# Altium PCB MB1191.PcbDoc (part 5 of 7) (continued)
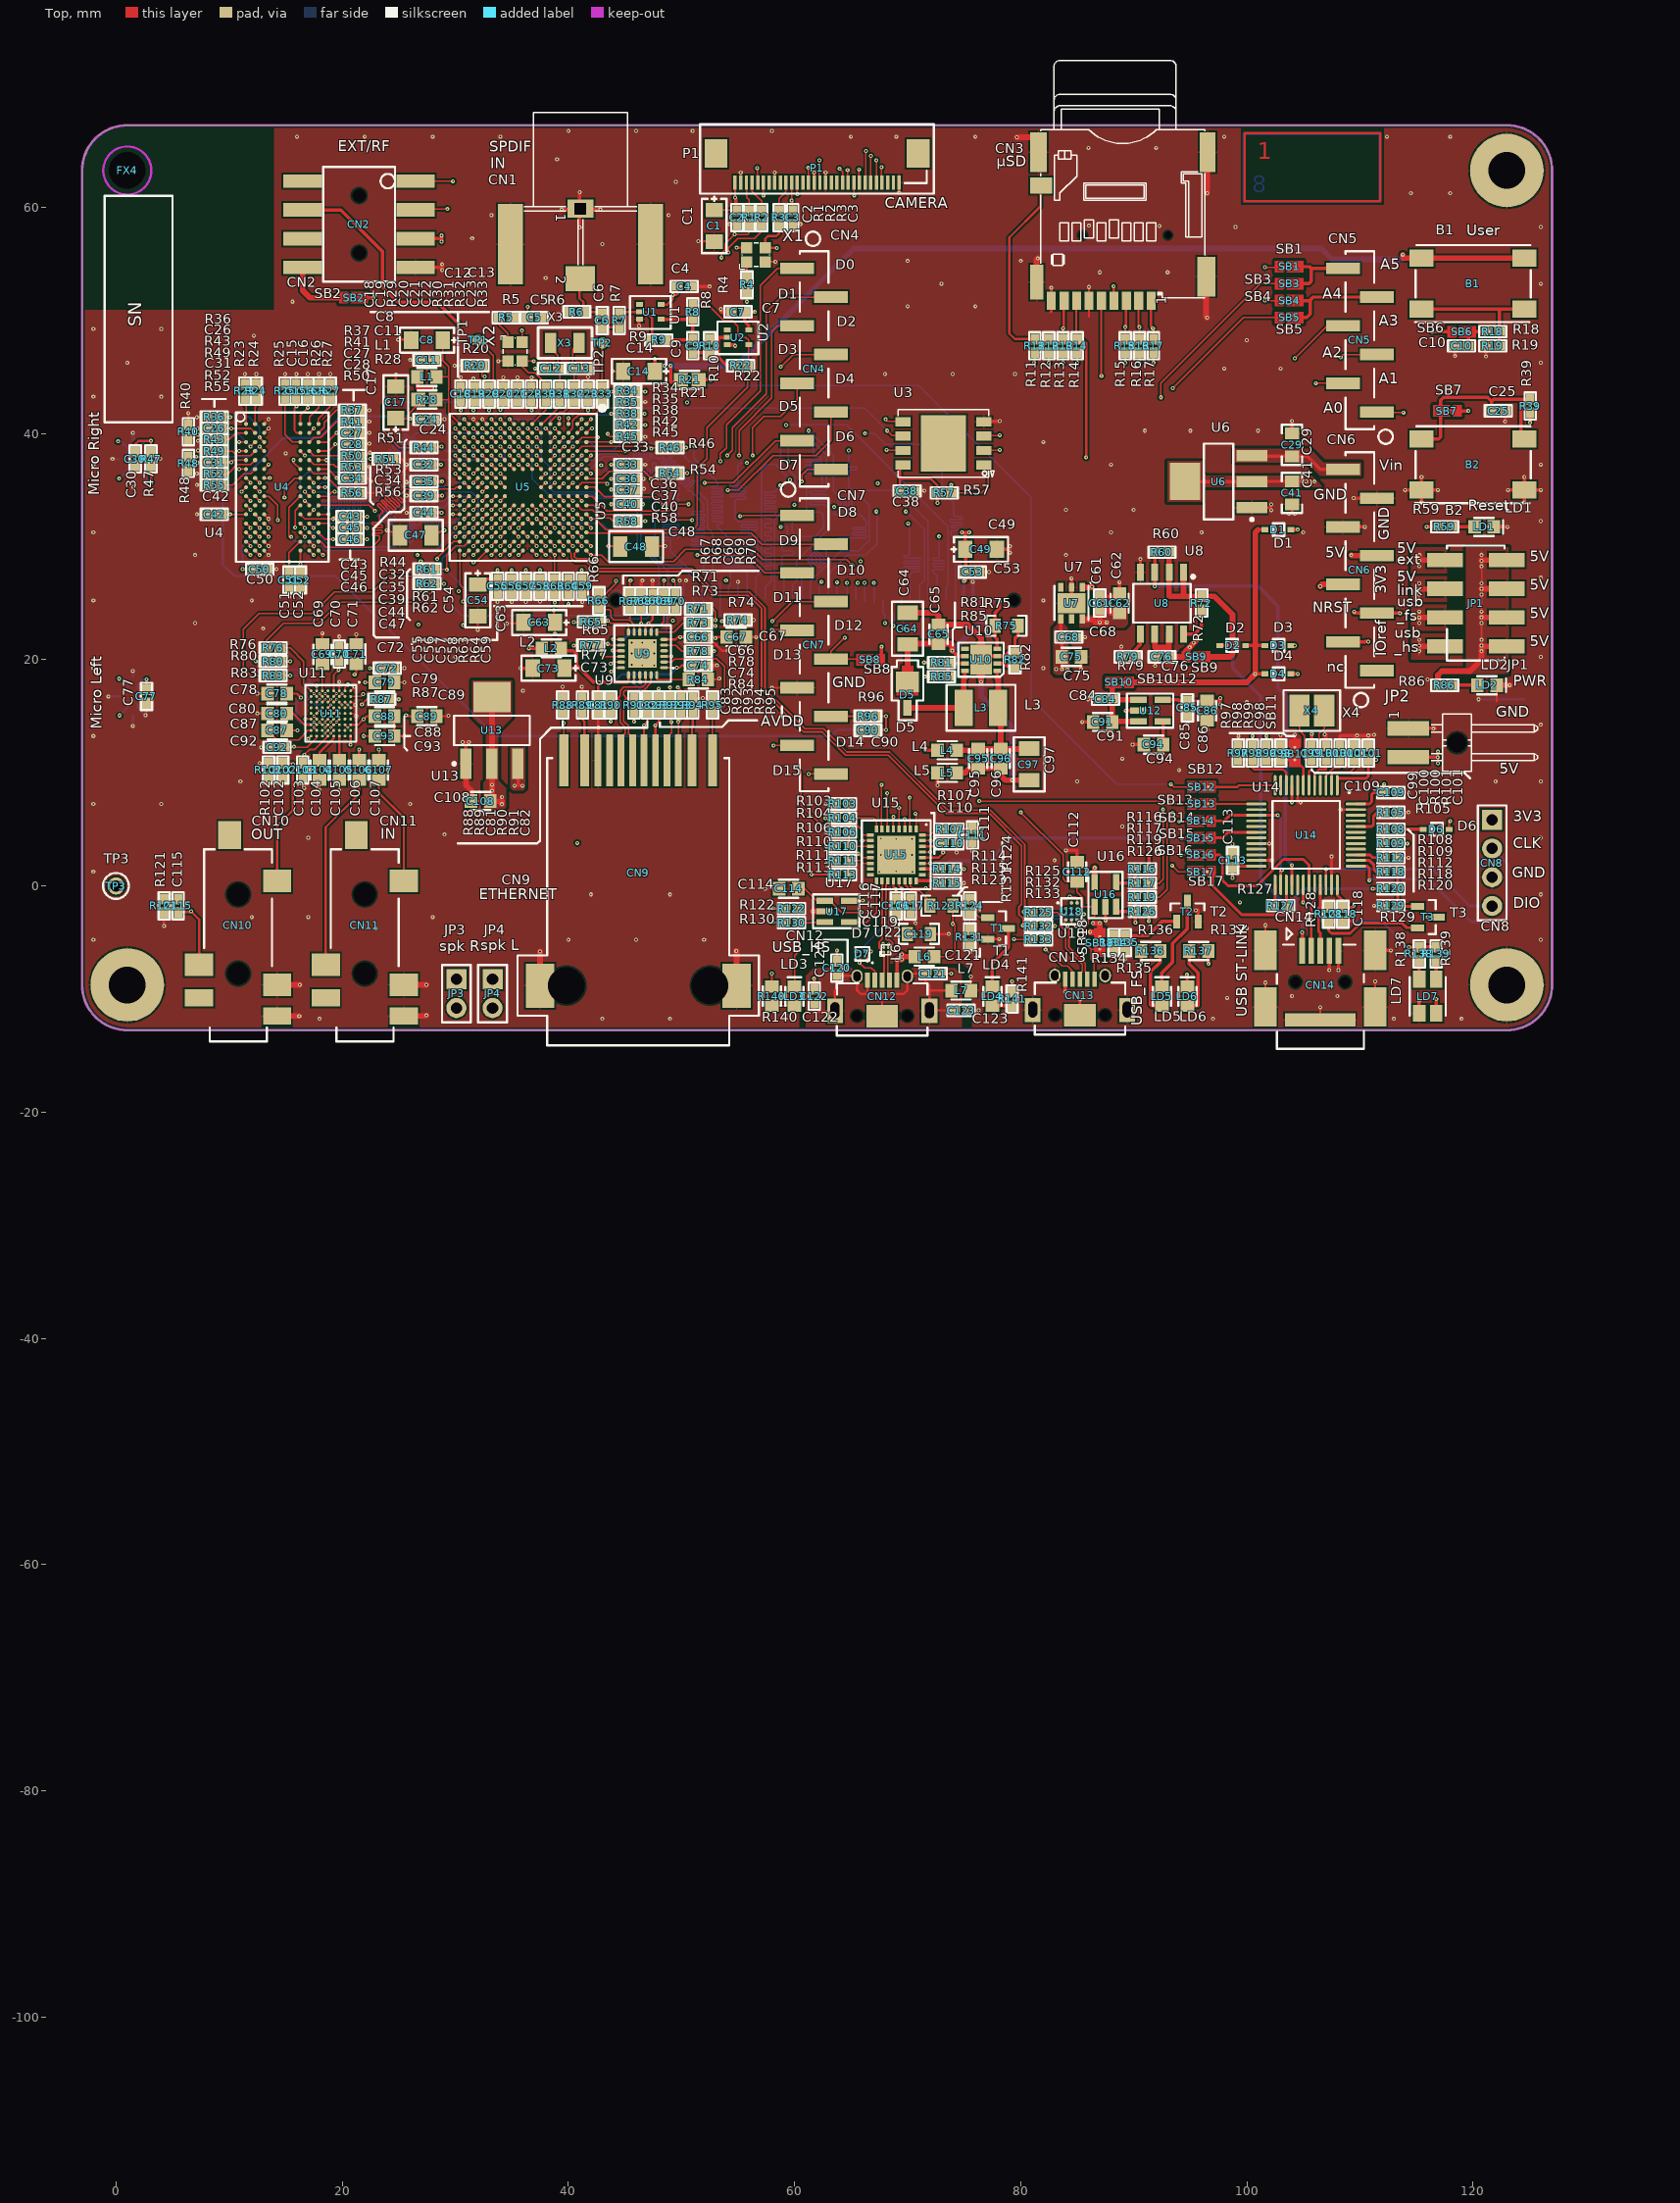
[diagram p0: Top view]
## Nets (pads, with @x,y where several pads share a name; then routed paths per layer and width w, separated by ;. In a path a pad name is that pad's centre, name@x,y a point inside that pad or via, vN(x,y) a via of type N, cw(c..) or ccw(c..) an arc to the next point about the centre after c; other vN are vias at no path point) (continued)
NetLD7_2: LD7.2 R138.2 | length 1.6
  Top w0.3: LD7.2@115.25,-8.25 R138.2@115.25,-6.6
NetLD7_3: LD7.3 R139.1 | length 1.6
  Top w0.3: LD7.3@116.75,-8.25 R139.1@116.75,-6.6
NetP1_27: P1.27 R2.2 | length 2.8
  Top w0.12: P1.27@56.25,62.175 56.25,61.4 57.1,60.55 R2.2@57.1,59.7
NetP1_28: P1.28 R1.2 | length 2.6
  Top w0.12: P1.28@55.75,62.175 55.75,60.9 56,60.65 R1.2@56,59.7
NetR4_2: R4.2 X1.1 | length 1.4
  Top w0.12: R4.2@55.775,53.75 R4.2@55.8,53.75
  Top w0.2: R4.2@55.775,53.75 X1.1@55.775,55.175
NetR5_2: R5.2 X2.1 | length 2.5
  Top w0.12: R5.2@33.9,50.25 33.9,49.6 34.675,48.825 X2.1@34.675,48.075
NetR7_2: R7.2 R9.1 U1.2 | length 5.2
  Top w0.2: R7.2@44.5,50.6 44.5,50.75 U1.2@46.3,50.75 46.85,50.75 47.4,50.2 R9.1@47.4,48.25
NetR10_2: R10.2 R22.1 U2.2 | length 5
  Top w0.3: R10.2@52.5,48.35 53.25,48.35 ; U2.2@54.05,48.5 53.25,48.5 53.25,48.35 ; R22.1@54.65,46 54,46 53.25,46.75 53.25,48.35
NetR20_2: R20.2 U5.L5 | length 9.2
  Top w0.12: R20.2@32.35,46 32.35,45.05 v1(32.6,45.05) ; v1(33.2,38.05) U5.L5@33.6,37.65
  F5 w0.12: v1(32.6,45.05) 32.35,44.8 32.35,41.85 32.8,41.4 32.8,38.45 v1(33.2,38.05)
NetR23_1: R23.1 U4.A1 | length 2.5
  Top w0.12: R23.1@11.4,43.15 11.4,42.459 11.5,42.559 U4.A1@11.5,40.85
NetR24_1: R24.1 U4.A2 | length 2.3
  Top w0.12: U4.A2@12.3,40.85 12.3,42.35 12.4,42.45 R24.1@12.4,43.15
NetR25_1: R25.1 U4.C7 | length 4.9
  Top w0.12: R25.1@14.95,43.15 14.944,39.906 15.6,39.25 U4.C7@16.3,39.25
NetR26_1: R26.1 U4.A8 | length 2.6
  Top w0.12: U4.A8@17.1,40.85 17.1,41.45 17.944,42.294 R26.1@17.95,43.15
NetR27_1: R27.1 U4.A9 | length 2.7
  Top w0.12: U4.A9@17.9,40.85 17.9,41.312 18.944,42.356 R27.1@18.95,43.15
NetR29_2: R29.2 TP1.1 | length 4.9
  Top w0.12: TP1.1@32,48.25 33.35,46.9 33.35,44.45 R29.2@33,44.1
NetR33_2: R33.2 TP2.1 | length 3.9
  Top w0.12: R33.2@43,44.1 TP2.1@43,48
NetR35_2: R35.2 R38.2 U5.E5 | length 11.6
  Top w0.12: U5.E5@38.4,37.65 v1(38.8,38.05) ; v1(43.8,41.75) R38.2@44.65,41.75 R35.2@44.65,42.75
  Bottom w0.12: v1(38.8,38.05) 38.4,38.45 38.4,41.4 38.75,41.75 41.3,41.75 41.4,41.65 43.7,41.65 v1(43.8,41.75)
NetR36_1: R36.1 U4.C3 | length 5.2
  Top w0.12: R36.1@9.3,41.45 v1(10.1,41.45) ; v1(12.7,39.65) U4.C3@13.1,39.25
  Bottom w0.12: v1(10.1,41.45) 11.8,41.45 12.7,40.55 v1(12.7,39.65)
NetR37_1: R37.1 U4.B9 | length 3.5
  Top w0.12: U4.B9@17.9,40.05 18.393,40.543 18.393,40.943 19.5,42.05 R37.1@20.3,42.05
NetR40_1: R40.1 U4.C2 | length 6.6
  Top w0.12: R40.1@6.4,39.55 6.9,39.55 v1(7.25,39.9) ; v1(11.9,38.85) U4.C2@12.3,39.25
  Bottom w0.12: v1(7.25,39.9) 10.85,39.9 v1(11.9,38.85)
NetR41_1: R41.1 U4.C8 | length 3.9
  Top w0.12: U4.C8@17.1,39.25 17.5,39.65 18.093,39.65 19.496,41.053 19.6,41.053 R41.1@20.3,41.05
NetR43_1: R43.1 U4.B1 | length 2.4
  Top w0.12: R43.1@9.3,39.45 10,39.45 10.6,40.05 U4.B1@11.5,40.05
NetR44_2: R44.2 U5.M5 | length 5.6
  Top w0.12: R44.2@27.85,38.75 28.511,38.75 28.636,38.875 28.661,38.85 v1(28.8,38.85) ; v1(32.4,38.05) U5.M5@32.8,37.65
  Bottom w0.12: v1(28.8,38.85) 28.8,38.75 28.825,38.775 29.15,38.45 32,38.45 v1(32.4,38.05)
NetR47_1: R47.1 U20.2 | length 3.4
  Top w0.2: v1(3.1,35.65) R47.1@3.1,37.15
  Bottom w0.2: U20.2@1.95,37.075 1.95,36.8 v1(3.1,35.65)
NetR48_1: R48.1 U4.D3 | length 7.2
  Top w0.12: R48.1@6.4,37.95 v1(7.1,37.95) ; v1(12.7,38.85) U4.D3@13.1,38.45
  Bottom w0.12: v1(7.1,37.95) 11.8,37.95 v1(12.7,38.85)
NetR49_1: R49.1 U4.D2 | length 3.3
  Top w0.12: R49.1@9.3,38.45 10.3,38.45 10.7,38.05 11.9,38.05 U4.D2@12.3,38.45
NetR50_1: R50.1 U4.D8 | length 3.4
  Top w0.12: U4.D8@17.1,38.45 17.5,38.05 19.646,38.05 19.641,38.056 R50.1@20.3,38.05
NetR51_1: R51.1 U4.D7 | length 7.3
  Top w0.12: U4.D7@16.3,38.45 v1(16.7,38.05) ; v1(22.5,37.75) R51.1@23.3,37.75
  Bottom w0.12: v1(16.7,38.05) 18.95,38.05 19.25,37.75 v1(22.5,37.75)
NetR52_1: R52.1 U4.E2 | length 3.5
  Top w0.12: R52.1@9.3,36.45 9.9,36.45 10.7,37.25 11.9,37.25 U4.E2@12.3,37.65
NetR53_1: R53.1 U4.E8 | length 3.4
  Top w0.12: U4.E8@17.1,37.65 17.5,37.25 19.253,37.25 19.45,37.053 R53.1@20.3,37.05
NetR55_2: R55.2 U4.F2 | length 3.6
  Top w0.12: R55.2@9.3,35.45 10.3,35.45 11.3,36.45 11.9,36.45 U4.F2@12.3,36.85
NetR56_2: R56.2 U4.F8 | length 4.3
  Top w0.12: U4.F8@17.1,36.85 17.5,36.45 18.75,36.45 18.9,36.3 18.9,35.9 20.05,34.75 R56.2@20.3,34.75
NetR59_2: R59.2 SB8.1 | length 57.1
  Top w0.3: SB8.1@67.25,20 67.7,20 v1(67.7,21.15) ; v1(115.9,31.75) R59.2@116.9,31.75
  F4 w0.3: v1(67.7,21.15) 68.43,21.15 68.93,20.65 72,20.65 72.63,20.02 79.86,20.02 82.09,22.25 83.85,22.25 84.85,21.25 86.95,21.25 87.85,22.15 93.85,22.15 96.55,24.85 106.95,24.85 113.35,31.75 v1(115.9,31.75)
NetR66_1: R66.1 R67.1 U9.11 | length 5.8
  Top w0.12: R66.1@42.659,24.45 43.625,24.45 43.775,24.3 43.775,23.778 44.028,23.525 45.436,23.525 ; R67.1@45.436,24.586 45.436,23.525 ; U9.11@45.822,22.439 45.822,23.1 45.436,23.486 45.436,23.525
NetR69_1: R69.1 R70.1 U9.8 | length 3.9
  Top w0.12: U9.8@47.322,22.439 47.322,22.772 47.6,23.05 48.15,23.05 48.436,23.336 R69.1@48.436,24.586 R70.1@49.436,24.586
NetR71_1: R71.1 R73.1 U9.7 | length 4.7
  Top w0.12: U9.7@47.822,22.439 49.378,22.439 50.189,23.25 R73.1@50.9,23.25 R71.1@50.9,24.5
NetR72_1: R72.1 U8.8 | length 3.4
  Top w0.3: U8.8@94.405,22.269 95.369,22.269 96,22.9 R72.1@96,24.4
NetR76_2: R76.2 U11.H1 | length 5.5
  Top w0.12: R76.2@14.5,21.05 15.4,21.05 16.6,19.85 16.6,17.9 U11.H1@17.25,17.25
NetR78_2: R78.2 U9.5 | length 2.7
  Top w0.12: U9.5@48.472,21.289 49.511,21.289 50.05,20.75 R78.2@50.9,20.75
NetR79_1: R79.1 U8.5 | length 2.2
  Top w0.3: R79.1@90.1,20.25 90.1,20.85 90.595,21.345 U8.5@90.595,22.269
NetR80_1: R80.1 U11.G2 | length 8.4
  Top w0.15: v2(17.5,17) U11.G2@17.75,16.75
  Top w0.2: v1(12.35,19.85) R80.1@13.3,19.85
  Bottom w0.15: v1(12.35,19.85) 13.1,19.1 16.7,19.1 17.15,18.65 17.15,17.35 v2(17.5,17)
NetR81_1: R81.1 R85.1 U10.7 | length 2.8
  Top w0.3: R85.1@73.6,18.5 R81.1@73.6,19.75 73.6,19.675 U10.7@75.075,19.675
NetR82_1: R82.1 U10.2 | length 1.7
  Top w0.3: U10.2@77.925,19.675 78.575,19.675 78.85,19.4 R82.1@79.5,19.4
NetR83_2: R83.2 U11.F3 | length 6.3
  Top w0.12: U11.F3@18.25,16.25 v2(18.5,16.5)
  Top w0.15: R83.2@14.5,18.6 v1(15.4,18.6)
  Bottom w0.15: v1(15.4,18.6) 16.2,18.6 16.75,18.05 16.75,16.9 17.6,16.05 18.05,16.05 v2(18.5,16.5)
NetR84_1: R84.1 U9.24 | length 3.2
  Top w0.12: U9.24@47.822,18.639 47.822,18.25 R84.1@50.65,18.25
NetR87_1: R87.1 U11.D4 U11.D5 | length 4.6
  Top w0.12: U11.D5@19.25,15.25 19.475,15.475 19.45,15.5 v2(19.5,15.5) U11.D4@19.25,15.75 ; v1(21.75,16.05) 22.2,16.5 R87.1@22.9,16.5
  F6 w0.12: v2(19.5,15.5) 21.2,15.5 v1(21.75,16.05)
NetR100_2: R100.2 U14.3 | length 3.1
  Top w0.12: U14.3@107,8.9 107,9.75 107.65,10.4 107.65,10.424 108.25,10.424 R100.2@108.25,11.15
NetR101_2: R101.2 U14.2 | length 3.9
  Top w0.12: U14.2@107.5,8.9 107.5,9.9 107.7,10.1 109.176,10.1 109.5,10.424 R101.2@109.5,11.15
NetR105_2: R105.2 U14.44 | length 3.5
  Top w0.25: U14.44@109.65,5.25 111.05,5.25 111.2,5.4 111.2,6.15 111.55,6.5 R105.2@112.15,6.5
NetR107_1: R107.1 U15.32 | length 2.1
  Top w0.12: U15.32@71.3,4.5 72,4.5 72.5,5 R107.1@73.15,5
NetR114_2: R114.2 U15.26 | length 1.6
  Top w0.3: U15.26@71.3,1.5 R114.2@72.9,1.5
NetR115_1: R115.1 U15.24 | length 2.3
  Top w0.3: U15.24@70.75,0.45 72.9,0.45 R115.1@72.9,0.25
NetR116_1: R116.1 R117.2 U16.4 | length 3
  Top w0.3: U16.4@88.45,0.325 88.45,0.25 R117.2@90.15,0.25 R116.1@90.15,1.5
NetR118_1: R118.1 R120.1 R129.2 T3.1 | length 4.9
  Top w0.25: R129.2@113.35,-1.75 R129.2@113.35,-1.8 ; R118.1@113.35,1.25 R120.1@113.35,-0.25 R129.2@113.35,-1.8 ; T3.1@115.1,-1.8 R129.2@113.35,-1.8
NetR123_1: R123.1 U15.22 | length 3.6
  Top w0.12: U15.22@69.75,0.45 69.75,0.1 70.3,-0.45 71.05,-0.45 71.984,-1.384 R123.1@71.984,-1.75
NetR124_2: R124.2 R131.1 T1.1 | length 3.3
  Top w0.12: R131.1@75.5,-3.9 R124.2@75.5,-2.35 75.9,-2.35 76.35,-2.8 T1.1@77.1,-2.8
NetR128_2: R128.2 T3.2 | length 9.3
  Top w0.25: R128.2@107.25,-3.1 107.25,-3.95 107.5,-4.2 109.15,-4.2 110.05,-3.3 113.75,-3.3 114.15,-3.7 T3.2@115.1,-3.7
NetR134_1: R134.1 R135.1 T2.1 | length 6.1
  Top w0.3: R134.1@88.25,-4.4 R135.1@89.25,-4.4 91.25,-4.4 92.5,-3.15 T2.1@93.8,-3.15
NetU15_17: U15.17 U17.4 | length 5.6
  Top w0.12: U17.4@64.825,-3.2 66.4,-3.2 67.25,-2.35 U15.17@67.25,0.45
OSC_24M: R3.1 R114.1 X1.3 | length 70.5
  Top w0.2: v1(58.45,56.4) 58.45,56.425 X1.3@57.425,56.425 57.425,57.225 57.65,57.45 58.4,57.45 58.65,57.7 R3.1@58.65,58.5
  Top w0.3: R114.1@74.1,1.5 v1(75,1.5)
  F6 w0.2: v1(58.45,56.4) 58.95,56.4 62.7,52.65 62.7,38.15 61.5,36.95 61.5,22.44 66.09,17.85 70.35,17.85 75,13.2 v1(75,1.5)
OSC_25M: R30.1 R78.1 X2.3 | length 43.2
  Top w0.12: v1(36.95,46.4) 36.95,46.425 X2.3@35.925,46.425 35.925,45.925 36.5,45.35 37.05,45.35 38,44.4 R30.1@38,44.1 ; R78.1@52.1,20.75 v1(52.9,20.75)
  F6 w0.12: v1(36.95,46.4) 42.1,46.4 46.04,42.46 46.04,35.11 46.99,34.16 46.99,33.08 47.95,32.12 47.95,29.19 48.66,28.48 49.67,28.48 51.23,26.92 51.23,24.39 51.29,24.33 51.61,24.33 51.67,24.27 51.67,24.15 51.61,24.09 50.69,24.09 50.63,24.03 50.63,23.91 50.69,23.85 51.17,23.85 51.23,23.79 51.23,22.22 52.7,20.75 v1(52.9,20.75)
OSC_IN: C100.2 U14.5 X4.2 | length 8.2
  Top w0.12: X4.2@106.85,15.5 106.85,13.9 106.4,13.45 106.4,11.15 C100.2@107,11.15
  Top w0.2: U14.5@106,8.9 106,9.9 106.4,10.3 107,10.3 C100.2@107,11.15
OSC_OUT: C99.2 U14.6 X4.1 | length 7.5
  Top w0.12: X4.1@104.65,15.5 104.65,13.75 105.1,13.3 105.1,11.15 C99.2@105.75,11.15
  Top w0.2: U14.6@105.5,8.9 105.5,10.1 105.75,10.35 C99.2@105.75,11.15
OTG_FS_VBUS: C112.2 CN13.1 R58.2 R63.1 R134.2 SB18.2 U16.1 U18.B3 | length 84.8
  Top w0.12: R63.1@38.75,25.9 38.8,25.9 v1(38.8,25.05) ; R58.2@45.85,32.25 v1(46.8,32.25) ; v1(80,6.5) 83.75,2.75 83.75,0.65 84,0.4 C112.2@85,0.4 85,-0.55 85.5,-1.05 85.5,-1.8 ; U18.B3@85,-2 85.3,-2 85.5,-1.8 ; CN13.1@86.55,-8.25 86.5,-8.2 86.5,-6.7 ; SB18.2@87,-5.6 86.25,-5.6 ; R134.2@88.25,-5.6 88.25,-6.31 87.86,-6.7 86.5,-6.7 ; 85.5,-1.8 85.525,-1.825 U16.1@86.55,-1.825 86.55,-2.7 86.5,-2.75 86.25,-2.75 86,-3 86,-3.3 85.7,-3.6 85.7,-5.05 86.25,-5.6 ; 86.25,-5.6 86.25,-6.45 86.5,-6.7
  F5 w0.12: v1(38.8,25.05) 39.95,23.9 40.7,23.9 41.97,22.63 48.46,22.63 v1@49.28,23.45 ; v1(49.25,23.45) v1@49.28,23.45 ; v1(80,6.5) 80.05,6.55 67.5,19.1 57.73,19.1 55.41,21.42 51.31,21.42 v1@49.28,23.45
  F6 w0.12: v1(46.8,32.25) 47,32.05 47,29.19 48.92,27.27 48.92,23.78 v1(49.25,23.45)
PA1: R77.1 U5.N2 U9.14 | length 43.4
  Top w0.12: v1(31.6,40.45) U5.N2@32,40.05 ; R77.1@42.6,21.5 43.4,21.5 v1(43.5,21.4) 43.57,21.47 43.75,21.289 U9.14@44.672,21.289
  F5 w0.12: v1(31.6,40.45) 31.2,40.05 31.2,38.55 31.1,38.45 29.75,38.45 29.55,38.25 29.55,35.35 30.35,34.55 30.35,32.95 30.45,32.85 32.6,32.85 32.8,32.65 32.8,31.5 32.55,31.25 32.1,31.25 32,31.15 32,24.5 33.7,22.8 33.705,22.795 34.722,22.795 34.727,22.8 35.2,22.8 35.67,22.33 35.67,21.8 35.73,21.74 35.85,21.74 35.91,21.8 35.91,22.74 35.97,22.8 36.09,22.8 36.15,22.74 36.15,21.8 36.21,21.74 36.33,21.74 36.39,21.8 36.39,22.74 36.45,22.8 36.57,22.8 36.63,22.74 36.63,21.8 36.69,21.74 36.81,21.74 36.87,21.8 36.87,22.74 36.93,22.8 37.05,22.8 37.11,22.74 37.11,21.64 38.15,20.6 41.95,20.6 42.75,21.4 v1(43.5,21.4)
PA2: R65.1 U5.P2 U9.12 | length 42.9
  Top w0.12: v1(30.8,40.45) U5.P2@31.2,40.05 ; R65.1@42.64,23.23 42.86,23.45 v1(43.5,23.45) 43.75,23.2 45.222,23.2 45.322,23.1 U9.12@45.322,22.439
  F3 w0.12: v1(26.75,23.1) 27.225,23.575 35.525,23.575 36.4,22.7 43.3,22.7 43.5,22.9 v1(43.5,23.45)
  F4 w0.12: v1(26.75,23.1) 26.25,23.6 26.25,38.2 28.1,40.05 30.4,40.05 v1(30.8,40.45)
PA3: U5.R2 U15.3 | length 89
  Top w0.12: v1(30,40.45) U5.R2@30.4,40.05 ; U15.3@69.75,5.05 v1(69.75,5.9)
  F4 w0.12: v1(30,40.45) 27.41,40.45 25,38.04 25,22.9 26.45,21.45 26.45,11.25 32.25,5.45 59.16,5.45 59.22,5.51 59.22,5.79 59.28,5.85 59.4,5.85 59.46,5.79 59.46,5.08 59.52,5.02 59.64,5.02 59.7,5.08 59.7,5.79 59.76,5.85 59.88,5.85 59.94,5.79 59.94,5.08 60,5.02 60.12,5.02 60.18,5.08 60.18,5.79 60.24,5.85 60.36,5.85 60.42,5.79 60.42,5.08 60.48,5.02 60.6,5.02 60.66,5.08 60.66,5.79 60.72,5.85 60.84,5.85 60.9,5.79 60.9,5.08 60.96,5.02 61.08,5.02 61.14,5.08 61.14,5.79 61.2,5.85 61.32,5.85 61.38,5.79 61.38,5.08 61.44,5.02 61.56,5.02 61.62,5.08 61.62,5.79 61.68,5.85 61.8,5.85 61.86,5.79 61.86,5.51 61.92,5.45 69.35,5.45 69.8,5.9 v1(69.75,5.9)
PA4: P1.17 U5.N4 | length 74.9
  Top w0.12: v1(31.6,38.85) U5.N4@32,38.45 ; v1(61.23,63.49) 61.25,63.47 P1.17@61.25,62.175
  F5 w0.12: v1(31.6,38.85) 32,39.25 32,46.12 33.19,47.31 38.79,47.31 38.95,47.15 38.95,46.65 39.01,46.59 39.13,46.59 39.19,46.65 39.19,47.97 39.25,48.03 39.37,48.03 39.43,47.97 39.43,46.65 39.49,46.59 39.61,46.59 39.67,46.65 39.67,47.97 39.73,48.03 39.85,48.03 39.91,47.97 39.91,46.65 39.97,46.59 40.09,46.59 40.15,46.65 40.15,47.25 40.21,47.31 45.56,47.31 47.384,49.134 47.384,49.219 46.96,49.644 46.96,49.728 47.045,49.813 47.13,49.813 48.063,48.88 48.148,48.88 48.233,48.965 48.233,49.05 47.3,49.983 47.3,50.068 47.384,50.153 47.469,50.153 48.403,49.219 48.487,49.219 48.572,49.304 48.572,49.389 47.639,50.322 47.639,50.407 47.724,50.492 47.809,50.492 48.742,49.559 48.827,49.559 48.912,49.644 48.912,49.728 48.487,50.153 48.487,50.237 49.91,51.66 49.91,53.76 49.85,53.82 49.25,53.82 49.19,53.88 49.19,54 49.25,54.06 50.57,54.06 50.63,54.12 50.63,54.24 50.57,54.3 49.25,54.3 49.19,54.36 49.19,54.48 49.25,54.54 50.57,54.54 50.63,54.6 50.63,54.72 50.57,54.78 49.25,54.78 49.19,54.84 49.19,54.96 49.25,55.02 50.57,55.02 50.63,55.08 50.63,55.2 50.57,55.26 49.97,55.26 49.91,55.32 49.91,61.62 52.14,63.85 60.89,63.85 61.25,63.49 v1(61.23,63.49)
PA5: U5.P4 U15.1 | length 89.2
  Top w0.12: v1(30.8,38.85) U5.P4@31.2,38.45 ; v1(70.7,6.4) 70.75,6.35 U15.1@70.75,5.05
  F4 w0.12: v1(30.8,38.85) 30.4,38.45 29.7,38.45 29.2,37.95 28.05,37.95 27.35,37.25 27.35,29.3 27.65,29 27.65,19.95 40.75,6.85 41.26,6.85 41.32,6.79 41.32,6.55 41.38,6.49 41.5,6.49 41.56,6.55 41.56,7.09 41.62,7.15 41.74,7.15 41.8,7.09 41.8,6.55 41.86,6.49 41.98,6.49 42.04,6.55 42.04,7.09 42.1,7.15 42.22,7.15 42.28,7.09 42.28,6.55 42.34,6.49 42.46,6.49 42.52,6.55 42.52,7.09 42.58,7.15 42.7,7.15 42.76,7.09 42.76,6.55 42.82,6.49 42.94,6.49 43,6.55 43,7.09 43.06,7.15 43.18,7.15 43.24,7.09 43.24,6.55 43.3,6.49 43.42,6.49 43.48,6.55 43.48,7.09 43.54,7.15 43.66,7.15 43.72,7.09 43.72,6.55 43.78,6.49 43.9,6.49 43.96,6.55 43.96,7.09 44.02,7.15 44.14,7.15 44.2,7.09 44.2,6.55 44.26,6.49 44.38,6.49 44.44,6.55 44.44,7.09 44.5,7.15 44.62,7.15 44.68,7.09 44.68,6.55 44.74,6.49 44.86,6.49 44.92,6.55 44.92,7.09 44.98,7.15 45.1,7.15 45.16,7.09 45.16,6.55 45.22,6.49 45.34,6.49 45.4,6.55 45.4,7.09 45.46,7.15 45.58,7.15 45.64,7.09 45.64,6.55 45.7,6.49 45.82,6.49 45.88,6.55 45.88,7.09 45.94,7.15 46.06,7.15 46.12,7.09 46.12,6.55 46.18,6.49 46.3,6.49 46.36,6.55 46.36,7.09 46.42,7.15 46.54,7.15 46.6,7.09 46.6,6.55 46.66,6.49 46.78,6.49 46.84,6.55 46.84,7.09 46.9,7.15 47.02,7.15 47.08,7.09 47.08,6.55 47.14,6.49 47.26,6.49 47.32,6.55 47.32,7.09 47.38,7.15 47.5,7.15 47.56,7.09 47.56,6.55 47.62,6.49 47.74,6.49 47.8,6.55 47.8,7.09 47.86,7.15 47.98,7.15 48.04,7.09 48.04,6.55 48.1,6.49 48.22,6.49 48.28,6.55 48.28,6.79 48.29,6.8 64.3,6.8 64.6,6.5 70.6,6.5 v1(70.7,6.4)
PA6: P1.15 U5.P3 | length 75.5
  Top w0.12: v1(30.8,39.65) U5.P3@31.2,39.25 ; v1(62.2,64.15) 62.2,62.175 P1.15@62.25,62.175
  F5 w0.12: v1(30.8,39.65) 30.4,40.05 30.4,40.8 29.9,41.3 29.9,42.95 31.2,44.25 31.2,47.6 33.36,49.76 38.96,49.76 38.97,49.77 38.97,49.1 39.03,49.04 39.15,49.04 39.21,49.1 39.21,50.42 39.27,50.48 39.39,50.48 39.45,50.42 39.45,49.1 39.51,49.04 39.63,49.04 39.69,49.1 39.69,49.7 39.75,49.76 42.27,49.76 42.33,49.7 42.33,49.1 42.39,49.04 42.51,49.04 42.57,49.1 42.57,50.42 42.63,50.48 42.75,50.48 42.81,50.42 42.81,49.1 42.87,49.04 42.99,49.04 43.05,49.1 43.05,50.42 43.11,50.48 43.23,50.48 43.29,50.42 43.29,49.1 43.35,49.04 43.47,49.04 43.53,49.1 43.53,50.42 43.59,50.48 43.71,50.48 43.77,50.42 43.77,49.82 43.83,49.76 44.73,49.76 47.1,52.13 47.1,55.27 47.16,55.33 47.76,55.33 47.82,55.39 47.82,55.51 47.76,55.57 46.44,55.57 46.38,55.63 46.38,55.75 46.44,55.81 47.76,55.81 47.82,55.87 47.82,55.99 47.76,56.05 46.44,56.05 46.38,56.11 46.38,56.23 46.44,56.29 47.76,56.29 47.82,56.35 47.82,56.47 47.76,56.53 46.44,56.53 46.38,56.59 46.38,56.71 46.44,56.77 47.04,56.77 47.1,56.83 47.1,62.05 49.19,64.14 62.19,64.14 v1(62.2,64.15)
PA7: R66.2 U5.R3 | length 34.1
  Top w0.12: v1(30,39.65) U5.R3@30.4,39.25 ; R66.2@42.7,25.825 43.275,25.825 44.191,26.741 44.191,26.936 v1(44.225,26.97)
  F3 w0.12: v1(26.65,29.25) 26.65,29.3 26.8,29.45 28.95,29.45 30.75,27.65 31.5,27.65 32.18,26.97 38.72,26.97 39.02,26.67 42.983,26.67 43.283,26.97 v1(44.225,26.97)
  F4 w0.12: v1(26.65,29.25) 26.7,29.25 26.7,37.5 28.85,39.65 v1(30,39.65)
PA9: R63.2 R64.2 U5.E15 | length 4
  Top w0.12: U5.E15@38.4,29.65 v1(38.8,29.25) R63.2@38.8,27.1 ; R63.2@38.75,27.1 R63.2@38.8,27.1 ; R64.2@40,27.1 R63.2@38.8,27.1
PA10: R133.1 U5.D15 | length 63.7
  Top w0.12: U5.D15@39.2,29.65 v1(39.6,29.25) ; v1(79.42,-4.7) 79.47,-4.75 R133.1@81,-4.75
  F3 w0.12: v1(39.6,29.25) 39.6,28.16 40.61,27.15 42.631,27.15 43.351,27.87 57.88,27.87 78.39,7.36 78.39,-3.67 v1(79.42,-4.7)
PA11: R132.1 U5.C15 U18.D3 | length 70
  Top w0.15: U5.C15@40,29.65 40.25,29.4 40.25,29.01 40.61,28.65 41.631,28.65 42.491,27.79 50.83,27.79 52.92,25.7 55.911,25.7 57.1,24.511 57.1,17.33 60.82,13.61 62.471,13.61 64.521,11.56 68.291,11.56 73.421,6.43 77.21,6.43 80.09,3.55 80.09,-1.62 79.84,-1.87 79.84,-2.51 80.21,-2.88 v1(80.21,-3.49) 80.85,-3.49 80.91,-3.55 R132.1@81,-3.55 ; U18.D3@85,-3 85.415,-3 85.415,-3.125 85.63,-3.125 v1(85.63,-3.09)
  Bottom w0.15: v1(80.21,-3.49) 80.79,-2.91 85.44,-2.91 85.63,-3.1 v1(85.63,-3.09)
PA12: R125.1 U5.B15 U18.C3 | length 68.4
  Top w0.15: U5.B15@40.8,29.65 40.53,29.38 40.53,29.119 40.719,28.93 41.74,28.93 42.6,28.07 50.939,28.07 53.009,26 56,26 57.4,24.6 57.4,17.419 60.929,13.89 62.58,13.89 64.63,11.84 68.4,11.84 73.53,6.71 77.319,6.71 80.37,3.659 80.37,-1.72 R125.1@80.94,-2.29 ; v1(80.27,-2.28) 80.95,-2.28 R125.1@80.94,-2.29 ; R125.1@81,-2.35 R125.1@80.94,-2.29 ; U18.C3@85,-2.5 85.55,-2.5 85.6,-2.45 v1(85.6,-2.5)
  Bottom w0.15: v1(80.27,-2.28) 80.62,-2.63 85.47,-2.63 v1(85.6,-2.5)
PA13: SB17.2 U5.A15 | length 67.5
  Top w0.12: U5.A15@41.6,29.65 v1(42,29.25) 42.95,29.25 43.5,28.7 49.3,28.7 50.35,29.75 56.31,29.75 57.21,28.85 64.6,28.85 v1(65.1,28.35) ; v1(93.4,1.8) 93.95,1.25 SB17.2@95.4,1.25
  F3 w0.12: v1(65.1,28.35) 65.35,28.1 69,28.1 93.4,3.7 v1(93.4,1.8)
PA14: SB14.2 U5.A14 | length 66.3
  Top w0.12: U5.A14@41.6,30.45 v1(42,30.05) ; v1(94,5.7) 95.4,5.7 SB14.2@95.4,5.75
  F3 w0.12: v1(42,30.05) 42.7,30.05 43.8,31.15 48.05,31.15 49.65,32.75 53.361,32.75 55.511,30.6 67.55,30.6 92.45,5.7 v1(94,5.7)
PB0: U5.R5 U15.4 | length 89
  Top w0.12: v1(30,38.05) U5.R5@30.4,37.65 ; U15.4@69.25,5.05 v1(69.25,6.9)
  F4 w0.12: v1(30,38.05) 29.7,38.05 29.35,37.7 28.15,37.7 27.6,37.15 27.6,29.4 27.9,29.1 27.9,20.35 40.5,7.75 50.63,7.75 50.69,7.81 50.69,8.27 50.75,8.33 50.87,8.33 50.93,8.27 50.93,7.37 50.99,7.31 51.11,7.31 51.17,7.37 51.17,8.27 51.23,8.33 51.35,8.33 51.41,8.27 51.41,7.37 51.47,7.31 51.59,7.31 51.65,7.37 51.65,8.27 51.71,8.33 51.83,8.33 51.89,8.27 51.89,7.37 51.95,7.31 52.07,7.31 52.13,7.37 52.13,8.27 52.19,8.33 52.31,8.33 52.37,8.27 52.37,7.37 52.43,7.31 52.55,7.31 52.61,7.37 52.61,8.27 52.67,8.33 52.79,8.33 52.85,8.27 52.85,7.37 52.91,7.31 53.03,7.31 53.09,7.37 53.09,8.27 53.15,8.33 53.27,8.33 53.33,8.27 53.33,7.37 53.39,7.31 53.51,7.31 53.57,7.37 53.57,8.27 53.63,8.33 53.75,8.33 53.81,8.27 53.81,7.37 53.87,7.31 53.99,7.31 54.05,7.37 54.05,8.27 54.11,8.33 54.23,8.33 54.29,8.27 54.29,7.37 54.35,7.31 54.47,7.31 54.53,7.37 54.53,8.27 54.59,8.33 54.71,8.33 54.77,8.27 54.77,7.37 54.83,7.31 54.95,7.31 55.01,7.37 55.01,8.27 55.07,8.33 55.19,8.33 55.25,8.27 55.25,7.37 55.31,7.31 55.43,7.31 55.49,7.37 55.49,8.27 55.55,8.33 55.67,8.33 55.73,8.27 55.73,7.81 55.79,7.75 63.95,7.75 64.8,6.9 v1(69.25,6.9)
PB1: U5.R4 U15.5 | length 89
  Top w0.12: v1(30,38.85) U5.R4@30.4,38.45 ; U15.5@68.75,5.05 v1(68.75,6.1)
  F4 w0.12: v1(30,38.85) 29.6,38.85 28.95,38.2 27.85,38.2 27.1,37.45 27.1,29.15 27.4,28.85 27.4,19.65 41.01,6.04 49.63,6.04 49.69,6.1 49.69,6.34 49.75,6.4 49.87,6.4 49.93,6.34 49.93,5.86 49.99,5.8 50.11,5.8 50.17,5.86 50.17,6.34 50.23,6.4 50.35,6.4 50.41,6.34 50.41,5.86 50.47,5.8 50.59,5.8 50.65,5.86 50.65,6.34 50.71,6.4 50.83,6.4 50.89,6.34 50.89,5.86 50.95,5.8 51.07,5.8 51.13,5.86 51.13,6.34 51.19,6.4 51.31,6.4 51.37,6.34 51.37,5.86 51.43,5.8 51.55,5.8 51.61,5.86 51.61,6.34 51.67,6.4 51.79,6.4 51.85,6.34 51.85,5.86 51.91,5.8 52.03,5.8 52.09,5.86 52.09,6.34 52.15,6.4 52.27,6.4 52.33,6.34 52.33,5.86 52.39,5.8 52.51,5.8 52.57,5.86 52.57,6.34 52.63,6.4 52.75,6.4 52.81,6.34 52.81,5.86 52.87,5.8 52.99,5.8 53.05,5.86 53.05,6.34 53.11,6.4 53.23,6.4 53.29,6.34 53.29,5.86 53.35,5.8 53.47,5.8 53.53,5.86 53.53,6.34 53.59,6.4 53.71,6.4 53.77,6.34 53.77,5.86 53.83,5.8 53.95,5.8 54.01,5.86 54.01,6.34 54.07,6.4 54.19,6.4 54.25,6.34 54.25,5.86 54.31,5.8 54.43,5.8 54.49,5.86 54.49,6.34 54.55,6.4 54.67,6.4 54.73,6.34 54.73,5.86 54.79,5.8 54.91,5.8 54.97,5.86 54.97,6.34 55.03,6.4 55.15,6.4 55.21,6.34 55.21,5.86 55.27,5.8 55.39,5.8 55.45,5.86 55.45,6.34 55.51,6.4 55.63,6.4 55.69,6.34 55.69,5.86 55.75,5.8 55.87,5.8 55.93,5.86 55.93,6.34 55.99,6.4 56.11,6.4 56.17,6.34 56.17,5.86 56.23,5.8 56.35,5.8 56.41,5.86 56.41,6.34 56.47,6.4 56.59,6.4 56.65,6.34 56.65,5.86 56.71,5.8 56.83,5.8 56.89,5.86 56.89,6.34 56.95,6.4 57.07,6.4 57.13,6.34 57.13,5.86 57.19,5.8 57.31,5.8 57.37,5.86 57.37,6.34 57.43,6.4 57.55,6.4 57.61,6.34 57.61,5.86 57.67,5.8 57.79,5.8 57.85,5.86 57.85,6.34 57.91,6.4 58.03,6.4 58.09,6.34 58.09,6.1 58.15,6.04 58.59,6.04 59.05,6.5 63.65,6.5 64.05,6.1 68.7,6.1 68.75,6.15 v1(68.75,6.1)
PB2: R44.1 U3.6 | length 52.9
  Top w0.12: v1(24.05,42.85) 23.6,42.4 23.6,40.25 25.1,38.75 R44.1@26.65,38.75 ; v1(68.2,40.25) 68.641,39.809 U3.6@69.272,39.809
  Bottom w0.12: v1(24.05,42.85) 24.15,42.75 42.3,42.75 42.8,42.25 66.2,42.25 v1(68.2,40.25)
PB3: SB16.2 U5.A10 | length 67
  Top w0.12: U5.A10@41.6,33.65 42.25,33.65 43.05,32.85 47.6,32.85 48.1,32.35 v1(50.95,32.35) ; v1(94.2,2.75) SB16.2@95.4,2.75
  F3 w0.12: v1(50.95,32.35) 53.422,32.35 55.572,30.2 64.35,30.2 v1(65.85,28.7) 68.85,28.7 94.2,3.35 v1(94.2,2.75)
PB5: U5.A8 U15.13 | length 89.9
  Top w0.12: U5.A8@41.6,35.25 42.35,35.25 43.2,34.4 47.7,34.4 v1(48.4,33.7) ; v1(65.65,2.85) 66,2.5 U15.13@66.7,2.5
  F6 w0.12: v1(48.4,33.7) 49.67,32.43 49.67,29.989 52.53,27.129 52.53,26.22 55.4,23.35 55.4,21.9 58.8,18.5 60.25,18.5 61.482,17.268 61.567,17.268 61.895,17.596 61.98,17.596 62.065,17.511 62.065,17.426 61.426,16.788 61.426,16.703 61.511,16.618 61.596,16.618 62.234,17.256 62.319,17.256 62.404,17.171 62.404,17.087 61.766,16.448 61.766,16.363 61.851,16.278 61.935,16.278 62.574,16.917 62.659,16.917 62.743,16.832 62.743,16.747 62.105,16.109 62.105,16.024 62.19,15.939 62.275,15.939 62.913,16.577 62.998,16.577 63.083,16.493 63.083,16.408 62.445,15.769 62.445,15.684 62.529,15.6 62.614,15.6 62.84,15.825 62.925,15.825 63.97,14.78 63.97,14.32 64.03,14.26 64.39,14.26 64.45,14.2 64.45,14.08 64.39,14.02 63.52,14.02 63.46,13.96 63.46,13.84 63.52,13.78 64.39,13.78 64.45,13.72 64.45,13.6 64.39,13.54 63.52,13.54 63.46,13.48 63.46,13.36 63.52,13.3 64.39,13.3 64.45,13.24 64.45,13.12 64.39,13.06 63.52,13.06 63.46,13 63.46,12.88 63.52,12.82 64.39,12.82 64.45,12.76 64.45,12.64 64.39,12.58 63.52,12.58 63.46,12.52 63.46,12.4 63.52,12.34 64.39,12.34 64.45,12.28 64.45,12.16 64.39,12.1 63.52,12.1 63.46,12.04 63.46,11.92 63.52,11.86 64.39,11.86 64.45,11.8 64.45,11.68 64.39,11.62 63.52,11.62 63.46,11.56 63.46,11.44 63.52,11.38 64.39,11.38 64.45,11.32 64.45,11.2 64.39,11.14 63.52,11.14 63.46,11.08 63.46,10.96 63.52,10.9 64.39,10.9 64.45,10.84 64.45,10.72 64.39,10.66 63.52,10.66 63.46,10.6 63.46,10.48 63.52,10.42 64.39,10.42 64.45,10.36 64.45,10.24 64.39,10.18 63.52,10.18 63.46,10.12 63.46,10 63.52,9.94 64.39,9.94 64.45,9.88 64.45,9.76 64.39,9.7 63.52,9.7 63.46,9.64 63.46,9.52 63.52,9.46 64.39,9.46 64.45,9.4 64.45,9.28 64.39,9.22 63.52,9.22 63.46,9.16 63.46,9.04 63.52,8.98 64.39,8.98 64.45,8.92 64.45,8.8 64.39,8.74 63.52,8.74 63.46,8.68 63.46,8.56 63.52,8.5 64.39,8.5 64.45,8.44 64.45,8.32 64.39,8.26 63.52,8.26 63.46,8.2 63.46,8.08 63.52,8.02 64.39,8.02 64.45,7.96 64.45,7.84 64.39,7.78 63.52,7.78 63.46,7.72 63.46,7.6 63.52,7.54 64.39,7.54 64.45,7.48 64.45,7.36 64.39,7.3 63.52,7.3 63.46,7.24 63.46,7.12 63.52,7.06 64.39,7.06 64.45,7 64.45,6.88 64.39,6.82 63.52,6.82 63.46,6.76 63.46,6.64 63.52,6.58 64.39,6.58 64.45,6.52 64.45,6.4 64.39,6.34 63.52,6.34 63.46,6.28 63.46,6.16 63.52,6.1 64.39,6.1 64.45,6.04 64.45,5.92 64.39,5.86 63.52,5.86 63.46,5.8 63.46,5.68 63.52,5.62 64.39,5.62 64.45,5.56 64.45,5.44 64.39,5.38 63.52,5.38 63.46,5.32 63.46,5.2 63.52,5.14 63.91,5.14 63.97,5.08 63.97,4.53 v1(65.65,2.85)
PB6: R57.1 U3.1 U5.B6 | length 53.2
  Top w0.12: U5.B6@40.8,36.85 v1(41.2,37.25) ; v1(73.85,35.45) R57.1@73.85,34.75 76.55,34.75 77.122,35.322 U3.1@77.122,37.269
  F5 w0.12: v1(41.2,37.25) 42.25,37.25 42.65,37.65 47.3,37.65 47.55,37.4 51.05,37.4 51.7,36.75 56.19,36.75 57.66,38.22 62.9,38.22 63.25,37.87 63.25,36.4 63.5,36.15 64.6,36.15 64.85,36.4 64.85,37.04 65.41,37.6 67.48,37.6 67.8,37.28 67.8,36.66 67.86,36.6 67.99,36.6 68.05,36.66 68.05,37.99 68.11,38.05 68.24,38.05 68.3,37.99 68.3,36.66 68.36,36.6 68.49,36.6 68.55,36.66 68.55,37.99 68.61,38.05 68.74,38.05 68.8,37.99 68.8,36.66 68.86,36.6 68.99,36.6 69.05,36.66 69.05,37.99 69.11,38.05 69.24,38.05 69.3,37.99 69.3,37.4 69.36,37.34 73.51,37.34 73.85,37 v1(73.85,35.45)
PB7: SB12.1 U5.B5 | length 83.1
  Top w0.12: U5.B5@40.8,37.65 v1(41.2,38.05) ; v1(93.3,9) 93.55,8.75 SB12.1@95.5,8.75
  F3 w0.12: v1(41.2,38.05) 42,38.85 46.75,38.85 47.5,39.6 48.25,39.6 50.5,41.85 v1(50.5,42.75)
  Bottom w0.12: v1(50.5,42.75) 52,44.25 71,44.25 80.9,34.35 80.9,16.6 88.5,9 v1(93.3,9)